# KiCad board VersaSens_HeEx.kicad_pcb (continued)
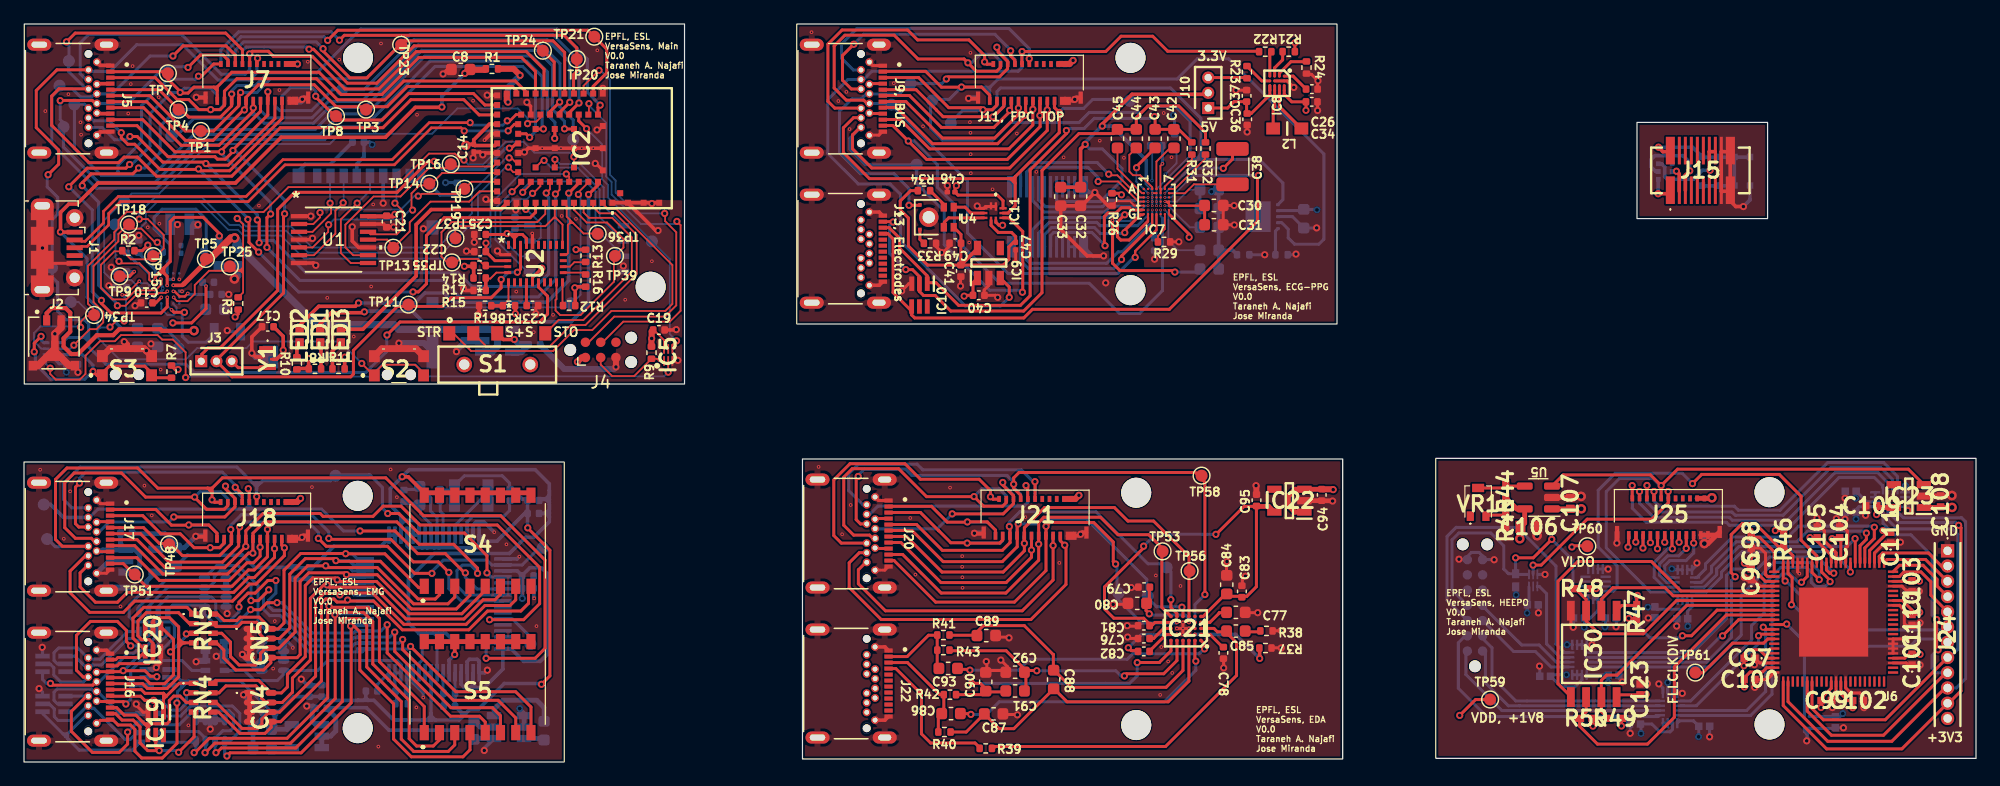
[diagram p0: board, top side]
## Routing (per net, layer and track width the routed paths; a pad name or vN(x,y) marks a point on that pad's centre or on a via; arc(x,y) is an arc through that point) (continued)
/Main/QSPI_IO2: length 14.5
  Top w0.15: IC2.18 42.21,48.15 v2(41.54,47.48)
  Bottom w0.15: IC6.3 47.61,44.47 47.61,47.55 46.76,48.4 42.22,48.4 41.54,47.72 v2(41.54,47.48)
/Main/QSPI_IO3: length 4.5
  Top w0.15: IC2.17 41.81,46.39 41.8,46.38 v2(41.8,46.05)
  Bottom w0.15: v2(41.8,46.05) 41.86,46.05 43.05,44.86 43.05,43.71 42.96,43.62 42.96,43.62 42.76,43.42 IC6.7
/Main/Reset: length 98
  Top w0.25: v2(19.46,58.65) 19.4,58.59 J7.12 ; J5.B11 2.74,57.68 1.02,55.96 1.02,52.86 2.89,51 2.89,49.82 v2(2.01,48.94) ; U2.11 42.86,39.58 43.61,38.82 43.61,37.33 42.95,36.67 31.32,36.67 v2(30.23,35.58)
  Bottom w0.25: IC4.5 3.62,35.38 4.85,35.38 ; 5.5,57.55 7.15,57.55 9.38,59.78 13.21,59.78 16.16,56.83 18.78,56.83 19.4,57.45 J7.12 19.4,58.59 v2(19.46,58.65) ; 5.5,57.55 J5.B11 5.5,57.55 ; 5.03,35.38 5.39,35.02 5.39,34.97 ; 5.03,35.38 4.85,35.38 ; 5.03,35.38 5.39,35.73 ; 5.39,34.97 5.39,34.59 5.39,34.59 ; 5.39,34.97 5.39,35.73 ; 4.85,35.38 5.39,35.38 5.39,34.59 ; 5.39,35.73 5.39,36.5 5.03,36.85 3.51,36.85 2.8,37.56 2.8,39.95 2.34,40.41 2.34,45.19 2.81,45.65 2.81,47.06 1.93,47.93 1.93,48.87 v2(2.01,48.94) ; 5.39,34.59 6.83,33.15 13.49,33.15 14.17,32.47 28.48,32.47 30.21,34.2 30.21,35.56 v2(30.23,35.58)
/Main/SCL: length 78.9
  Top w0.25: v2(3.73,47.94) 3.73,47.95 5.27,49.49 8.49,49.49 v2(8.8,49.8) ; 15.82,56.24 16.1,55.96 ; 16.1,55.96 J7.1 ; 16.1,55.96 16.1,56.22 16.08,56.24 ; J5.A2 7.2,57.53 11.85,57.53 TP7.1 11.98,56.91 13,55.88 v2(13,55.8) 13.06,55.74 13.66,55.74 14.16,56.24 16.08,56.24 ; 16.08,56.24 17.32,57.48 24.57,57.48 26.43,55.63 29.81,55.63 32.89,58.72 41.44,58.72 42.6,57.55 42.6,55.71 IC2.45 ; v2(6.45,38.47) 6.45,38.21 7.24,37.42 11.41,37.42 11.93,37.94 v1(11.93,38.72)
  Bottom w0.25: v2(8.8,49.8) 8.97,49.8 10.5,51.33 10.5,54.02 12.29,55.8 v2(13,55.8) 13.35,56.15 15.52,56.15 16.1,55.58 J7.1 ; v2(6.45,38.47) 6.4,38.47 5.69,39.19 5.69,46 3.74,47.94 v2(3.73,47.94)
/Main/SCLK: length 51.2
  Top w0.25: v2(17.3,55.66) J7.5 17.3,54.68 16.36,53.75 13.72,53.75 12.81,54.66 12.62,54.66 11.24,56.03 J5.A5 ; IC2.58 47.81,54.56 v2(47.99,54.74)
  Bottom w0.25: v2(47.99,54.74) 46.92,55.81 46.92,58.57 44.41,61.09 28.05,61.09 24.38,57.42 20.32,57.42 19.28,56.38 17.74,56.38 17.3,55.93 v2(17.3,55.66) J7.5
/Main/SDA: length 71.8
  Top w0.15: v1(11.94,39.23) 11.81,39.1 11.24,39.1 11.13,38.99 9.41,38.99 8.44,38.02 7.78,38.02 v2(7.78,38.03)
  Top w0.25: v2(9.55,49.5) 9.06,49.02 5.59,49.02 4.85,48.28 v2(4.85,48.03) ; IC2.43 41.81,55.86 40.91,56.76 31.64,56.76 30.07,55.18 26.12,55.18 24.36,56.95 17.74,56.95 16.7,55.91 J7.3 16.7,54.73 16.34,54.37 v2(15.55,54.37) 14.56,54.37 13.73,55.2 12.76,55.2 10.93,57.03 J5.A3
  Bottom w0.15: IC1.C4 v1(11.94,39.23)
  Bottom w0.25: J7.3 16.7,54.81 16.25,54.37 v2(15.55,54.37) 13.01,54.37 12.87,54.23 TP6.1 12.42,54.08 11.34,53 11.34,50.78 10.06,49.5 v2(9.55,49.5) ; v2(7.78,38.03) 7.78,38.16 6.22,39.72 6.22,46.66 v2(4.85,48.03)
/Main/SDI: length 50.6
  Top w0.25: IC2.52 45.41,54.1 v2(46.23,54.92) ; J5.A6 10.48,55.53 13.43,52.59 15.79,52.59 17.9,54.69 J7.7 17.9,55.65 v2(18.04,55.8)
  Bottom w0.25: J7.7 17.9,55.65 v2(18.04,55.8) 18.05,55.79 19.39,55.79 20.54,56.94 28.49,56.94 32.16,60.62 44.03,60.62 46.23,58.42 v2(46.23,54.92)
/Main/SDO: length 40.4
  Top w0.25: IC2.41 41.01,55.96 40.67,56.3 31.94,56.3 30.25,54.61 26,54.61 24.17,56.44 19.54,56.44 18.5,55.4 J7.9 18.5,55.1 18.5,54.39 ; J5.A7 10.21,55.03 13.44,51.81 15.75,51.81 18.28,54.34 v2(18.36,54.34) 18.23,54.21
  Bottom w0.25: J7.9 18.5,54.48 v2(18.36,54.34)
/Main/SoC_FCLK: length 38.8
  Top w0.25: IC2.32 41,51.55 40.6,51.16 v2(40.43,51.16) ; v2(34.17,50.06) 33.66,50.06 31.08,47.48 22.56,47.48 21.13,46.04 21.13,39.3 16.33,34.5 15.34,34.5 14.81,33.98 14.81,33.35
  Bottom w0.25: v2(34.17,50.06) 34.86,49.37 38.33,49.37 40.12,51.16 v2(40.43,51.16)
/Main/Soc_RESET: length 60.5
  Top w0.15: v2(2.18,32.82) 2.18,32.34 2.65,31.87 4.65,31.87 5.12,32.34 5.12,33.86 6.33,35.07 7.57,35.07 8.08,35.58 11.13,35.58 11.51,35.21 12.4,35.21 13.46,34.15 v2(13.46,32.04) ; v2(53.66,32.49) IC5.2
  Bottom w0.15: v2(13.46,32.04) 13.54,32.12 28.82,32.12 29.81,33.11 32.63,33.11 33.6,32.14 53.31,32.14 v2(53.66,32.49) ; v2(2.18,32.82) 1.84,33.16 IC4.1
/Main/Soc_RESET_IN: length 23
  Top w0.15: IC5.4 54.01,34.76 v2(54.35,35.1)
  Top w0.25: v2(46.86,52.78) 46.21,53.42 IC2.54
  Bottom w0.15: v2(46.86,52.78) 48.16,51.48 48.16,48.58 48.64,48.09 48.64,47.05 53.79,41.9 53.79,35.66 v2(54.35,35.1)
/Main/SoC_RESET_OUT: length 60
  Top w0.15: v2(4.72,36.23) 4.72,36.69 5.19,37.16 5.92,37.16 5.92,37.6 5.32,38.2 5.32,41.33 7.52,43.53 7.52,44.15 7.87,44.5 7.87,45.16 8.55,45.84 19.95,45.84 22.03,47.91 30.94,47.91 33.74,50.7 35.89,50.7 36.43,50.16 v2(36.65,50.16) ; v2(45.8,50.43) 45.81,50.41 IC2.60
  Bottom w0.15: v2(45.8,50.43) 45.45,50.78 42.52,50.78 41.61,51.68 40.12,51.68 38.23,49.8 37.01,49.8 v2(36.65,50.16) ; v2(4.72,36.23) 4.65,36.3 1.37,36.3 0.84,35.76 0.84,35.06 1.45,34.44 IC4.2
/Main/Start: length 51.4
  Top w0.25: IC2.47 43.32,55.8 43.32,57.72 41.84,59.2 32.67,59.2 29.56,56.09 26.73,56.09 24.01,58.81 20.77,58.81 20.35,59.23 19.02,59.23 v2(18.8,59.01) J7.10
  Bottom w0.25: v2(18.8,59.01) J7.10 18.8,57.69 18.43,57.32 16.43,57.32 13.13,60.62 5.37,60.62 4.68,59.93 4.68,57.36 5.16,56.88 J5.B10
/Main/Storing: length 17.9
  Top w0.15: IC2.5 46.61,45.8 47.06,45.35 49,45.35 50.63,43.72 50.63,40.87 46.59,36.83 44.53,36.83 S1.4
/Main/Streaming: length 32.1
  Top w0.15: IC2.2 48.21,46.53 48.65,46.09 49.34,46.09 54.01,41.42 54.01,38.17 53.42,37.59 48.93,37.59 47.34,36 45.82,36 44.07,34.25 37.24,34.25 35.77,35.72 S1.1
/Main/Streaming_Storing: length 24.8
  Top w0.15: S1.2 38.52,34.62 43.78,34.62 45.57,36.41 46.77,36.41 51.04,40.68 51.04,43.93 49.23,45.73 47.93,45.73 47.41,46.25 IC2.3
/Main/SWDCLK: length 31.2
  Top w0.15: IC2.56 47.01,54 47.06,54.05 v2(47.06,54.86) ; J4.4 48.2,34.98 49.91,36.7 53.79,36.7 54.69,37.6 54.69,44.75 54.4,45.04 54.37,45.04 v2(54.38,45.05)
  Bottom w0.15: v2(54.38,45.05) 54.17,44.84 51.38,44.84 48.95,47.28 48.95,48.33 48.49,48.8 48.49,53.28 47.06,54.71 v2(47.06,54.86)
/Main/SWDIO: length 35
  Top w0.15: IC2.55 46.61,56.35 v2(47.9,57.64) ; J4.2 47.03,34.98 49.17,37.12 53.39,37.12 54.33,38.06 54.33,44.15 53.4,45.08 53.4,45.68 v2(53.37,45.72)
  Bottom w0.15: v2(47.9,57.64) 48.01,57.64 48.8,56.85 48.8,48.94 49.29,48.46 49.29,47.45 51.02,45.72 53.36,45.72 v2(53.37,45.72)
/Main/USB_GP1: length 72.1
  Top w0.25: J7.2 15.8,58.17 14.78,57.15 v2(14.53,57.15) ; v2(44.2,51.97) 44.21,51.98 IC2.64
  Bottom w0.25: J5.B5 5.04,54.82 4.22,54.82 TP29.1 4.2,51.13 6.43,48.89 7.52,48.89 ; 7.83,49.17 8.11,48.89 ; 7.83,49.17 7.83,49.72 9.79,51.68 9.79,54.7 11.99,56.9 14.28,56.9 v2(14.53,57.15) ; 7.83,49.17 7.8,49.17 7.52,48.89 ; 7.83,49.17 7.83,48.89 ; 8.11,48.89 7.52,48.89 ; 8.11,48.89 10.75,48.89 14.58,52.71 24.25,52.71 25.55,54.02 28.58,54.02 33.39,58.83 42.28,58.83 43.6,57.51 43.6,53.94 44.23,53.31 44.23,51.99 v2(44.2,51.97)
/Main/USB_GP2: length 71.2
  Top w0.25: J7.4 17,58.5 16.58,58.92 14.69,58.92 v2(13.66,57.89) ; J5.B6 5.93,54.88 5.68,55.13 3.03,55.13 v2(3.02,55.12) ; v2(43.26,52.76) 43.26,52.75 IC2.63
  Bottom w0.25: v2(3.02,55.12) 3.02,53.54 3.28,53.28 3.28,51.24 6.21,48.31 10.93,48.31 14.91,52.3 24.66,52.3 25.86,53.5 28.92,53.5 33.82,58.4 41.88,58.4 43.16,57.12 43.16,52.86 v2(43.26,52.76) ; J5.B6 8.66,54.88 11.72,57.95 13.6,57.95 v2(13.66,57.89)
/Main/USB_GP3: length 75.2
  Top w0.25: J7.6 17.6,58.91 16.82,59.69 13.26,59.69 v2(12.41,58.83) ; v2(42.12,52.05) 41.82,52.35 IC2.34
  Bottom w0.25: v2(12.41,58.83) 10.5,58.83 7.35,55.68 J5.B7 5.93,55.54 5.75,55.54 5.63,55.42 4.7,55.42 4.02,56.1 2.88,56.1 2.88,56 2.31,55.44 2.31,51.53 6.03,47.81 11.06,47.81 15.12,51.87 25.03,51.87 26.09,52.93 29.21,52.93 34.24,57.97 41.53,57.97 42.6,56.9 42.6,52.55 42.33,52.28 42.33,52.27 v2(42.12,52.05)
/Main/USB_GP4: length 69.7
  Top w0.25: J7.8 18.2,59.35 16.8,60.75 4.27,60.75 v2(3.54,60.02) ; J5.B8 5.35,56.1 2.91,56.1 2.31,55.5 2.31,53.06 5.41,49.95 7.88,49.95 8.34,50.41 9.45,50.41 11.04,48.82 17.31,48.82 21.35,52.86 29.89,52.86 32.23,55.2 36.64,55.2 37.91,53.93 39.38,53.93 IC2.37
  Bottom w0.25: J5.B8 5.18,56.08 3.7,57.57 3.7,58.43 ; TP32.1 3.74,59.81 v2(3.54,60.02)
/Main/USB_GP5: length 60.4
  Top w0.15: IC2.12 44.61,47.68 v2(44.26,47.33)
  Top w0.25: v2(20.54,45.67) 20.23,45.37 v2(20.23,42.89) ; J5.A10 9.88,53.53 12.57,50.85 v2(16.46,50.85) 16.46,50.99 19.7,54.22 J7.13
  Bottom w0.25: v2(16.46,50.85) 16.46,50.7 20.54,46.62 v2(20.54,45.67) ; v2(20.23,42.89) 20.23,42.88 22.98,40.13 34.92,40.13 36.28,38.76 42.84,38.76 44.29,40.21 44.29,47.31 v2(44.26,47.33)
/Main/USB_GP6: length 62.7
  Top w0.15: IC2.14 43.81,47.73 v2(43.5,47.42)
  Top w0.25: v2(19.59,43.27) 19.59,45.02 v2(19.43,45.18) ; J7.17 20.9,53.62 17.01,49.74 15.28,49.74 v2(15.15,49.87) 15.03,50 11.56,50 9.43,52.13 v2(8.82,52.13)
  Bottom w0.25: v2(15.15,49.87) 15.17,49.87 19.43,45.61 v2(19.43,45.18) ; v2(19.59,43.27) 19.78,43.47 20.78,43.47 23.47,40.78 36.17,40.78 37.32,39.63 42.65,39.63 43.7,40.68 43.7,47.04 43.5,47.24 v2(43.5,47.42) ; v2(8.82,52.13) 8.55,51.85 7.54,51.85 6.52,52.87 5.38,52.87 J5.B2
/Main/USB_GP7: length 61
  Top w0.25: v2(32.4,39.18) 32.85,39.18 33.52,39.85 33.52,43.87 35.01,45.36 42.16,45.36 42.61,45.81 IC2.15 ; J7.19 21.5,53.64 17.13,49.28 14.68,49.28 v2(14.54,49.42) 14.5,49.39 11.32,49.39 9.22,51.48 8.64,51.48 8.1,52.02 8.1,52.44 v2(8.1,52.45) ; v2(18.64,45.22) 18.74,45.13 18.74,43.3 v2(19.54,42.5) ; 5.24,53.68 J5.B3
  Bottom w0.25: v2(8.1,52.45) 8.08,52.45 7.09,53.43 5.82,53.43 5.57,53.68 J5.B3 ; v2(18.64,45.22) 18.64,45.31 v2(14.54,49.42) ; v2(32.4,39.18) 32.39,39.17 22.87,39.17 v2(19.54,42.5)
/Main/uUSB_D+: length 42
  Top w0.22: J1.3 4.69,42.86 4.8,42.97 5.27,42.97 7.05,44.75 7.05,45.71 8.04,46.7 18.68,46.7 21.74,49.77 30.85,49.77 33.93,52.85 36.41,52.85 v2(36.67,52.59) ; IC2.36 40.85,53.15 40.33,52.63 v2(40.33,52.6)
  Top w0.25: v2(40.33,52.6) 40.33,52.6
  Bottom w0.22: v2(40.33,52.6) 40.31,52.59 v2(36.67,52.59)
/Main/uUSB_D-: length 42.6
  Top w0.22: IC2.42 40.99,53.95 40.47,53.44 v2(40.25,53.44) ; v2(37.16,53.28) 33.75,53.28 30.67,50.2 21.57,50.2 18.5,47.13 7.86,47.13 6.62,45.89 6.62,44.93 5.09,43.4 4.8,43.4 4.69,43.51 J1.2
  Top w0.25: v2(40.25,53.44) 40.41,53.44
  Bottom w0.22: v2(40.25,53.44) 39.89,53.08 37.36,53.08 v2(37.16,53.28)
  Bottom w0.25: 37.22,53.34 v2(37.16,53.28)
/Main/uUSB_VBUS: length 55.4
  Top w0.3: v2(34.81,54.58) 34.78,54.56 32.6,54.56 30.11,52.06 21.43,52.06 17.62,48.25 6.16,48.25 4.41,46.5 3.73,46.5 3.04,45.81 3.04,44.18 v2(3.03,44.17) 3.05,44.16 J1.1
  Top w0.5: R1.1 38.39,57.69 37.18,57.69 C8.2 37.05,57.72 v2(36.72,57.38)
  Bottom w0.25: v2(3.03,44.17) 5.25,41.95 5.25,38.72 6.85,37.13 7.14,37.13 8.12,36.15 C5.1
  Bottom w0.3: v2(36.72,57.38) 34.81,55.48 v2(34.81,54.58)
Net-(C85-Pad2): length 1.3
  Top w0.25: 102.93,10.94 102.83,10.85 101.66,10.85
Net-(IC1-BATT_CHGR): length 2.9
  Bottom w0.15: IC1.A3 11.44,38.21 11.44,37.76 11.96,37.25 12.45,37.25 12.71,37.5 12.71,37.89 12.43,38.17 IC1.A5
Net-(IC1-IN_LDO0): length 2.3
  Bottom w0.25: 10.93,40.73 10.93,41.02 9.56,42.39 R5.1
Net-(IC1-LXA): length 0.7
  Bottom w0.25: IC1.E6 v1(12.93,40.22) ; 13.81,44.78 L1.2
  Bottom w0.7: v2(14.48,44.78) 13.81,44.78
Net-(IC1-REG): length 3.4
  Top w0.2: v1(13.64,39.05) 13.39,38.8 12.97,38.8 12.54,39.22 v1(12.44,39.22)
  Bottom w0.25: C13.1 13.72,38.97 v1(13.64,39.05)
Net-(IC2-VBUS): length 5.5
  Top w0.5: v2(40.32,55) 40.21,55.1 IC2.40 ; v2(41.32,57.23) 40.79,57.76 R1.2
  Bottom w0.5: v2(40.32,55) 40.32,56.22 v2(41.32,57.23)
Net-(IC7-CAL3): length 4.4
  Top w0.15: IC7.B4 v5(93.98,47.41)
  PWR w0.2: v5(93.98,47.41) 93.98,48.42 v1(93.95,48.45) 93.95,48.45
  Bottom w0.15: R27.2 93.98,51.18 93.98,48.48 v1(93.95,48.45)
Net-(IC7-CAPN): length 7.7
  Top w0.25: C38.2 100.66,50.24 v2(99.9,49.47)
  Bottom w0.15: v2(99.9,49.47) 99.87,49.5 ; 96.53,48.91 v4(95.03,47.41)
  Bottom w0.25: 99.87,49.5 97.12,49.5 96.53,48.91
Net-(IC7-CAPP): length 5.6
  Top w0.15: C38.1 97.45,48.15 96.71,47.4 95.39,47.4 IC7.B7
Net-(IC8-CAP): length 2.3
  Top w0.25: IC8.A1 105.71,57.16 C26.1
Net-(IC8-EN): length 2.1
  Top w0.25: R22.1 103.77,59.07 IC8.D1
Net-(IC8-HVLX_1): length 3.6
  Top w0.25: 104.05,52.79 104.05,54.48 104.17,54.61 IC8.C4 IC8.C3
Net-(IC8-LVLX_1): length 4.3
  Top w0.25: IC8.B3 IC8.B4 104.57,54.62 L2.1
Net-(IC10-IO1): length 43.6
  Top w0.25: v2(86.83,52.63) 86.83,52.37 83.81,49.34 83.81,38.86 83,38.06 77.85,38.06 75.97,39.94 75.24,39.94 75.24,40.52 72.94,42.82 72.94,43.66 72.06,44.53 J13, Electrodes.A3 ; v2(94.17,53.79) 94.22,53.74 C43.2 C42.2 96.18,52.72 97.29,51.62
  Bottom w0.25: v2(86.83,52.63) 86.98,52.78 88.3,52.78 89.16,53.64 94.02,53.64 v2(94.17,53.79)
Net-(IC10-IO2): length 48.1
  Top w0.25: J13, Electrodes.A2 72.37,45.03 v2(72.4,45) ; 98.34,51.62 98.37,51.64 R32.1 98.42,52.45 96.19,54.68 93.63,54.68 92.65,53.7 C44.2 C45.2 90.73,52.37 87.87,52.37 84.8,49.3 84.8,39.11 83.26,37.58 77.2,37.58 75.9,38.88 74.92,38.88 74.57,39.23 74.57,39.84 IC10.2 74.59,40.46 74.01,41.04 v2(73.45,41.04)
  Bottom w0.25: v2(72.4,45) 72.1,44.71 72.1,42.39 v2(73.45,41.04)
Net-(IC12-NR/FB): length 1.7
  Bottom w0.25: 22.21,1.11 IC12.4
  Bottom w0.4: C50.1 22.21,1.11
Net-(IC14-CAP+): length 1.7
  Bottom w0.4: C51.2 43.19,1.96 IC14.6
Net-(IC14-CAP-): length 6.4
  Bottom w0.4: C51.1 43.32,4.54 42.71,5.15 39.91,5.15 39.15,4.4 IC14.3
Net-(IC17-VCAP1): length 4.8
  Bottom w0.25: 38.83,22.19 38.36,22.19 35.9,19.73 IC17.28
Net-(IC17-VCAP2): length 5.8
  Bottom w0.25: 40.45,21.71 40.45,20.96 39.99,20.5 37.4,20.5 36.9,20 IC17.30
Net-(IC17-VCAP3): length 2.8
  Bottom w0.25: IC17.55 34.9,4.68 34.94,4.64
Net-(IC17-VCAP4): length 2.9
  Bottom w0.25: IC17.26 34.9,20.67 34.67,20.9 34.67,21.69 34.65,21.71
Net-(IC17-VREFP): length 4.4
  Bottom w0.25: IC17.24 33.9,19.8 33.03,20.68 33.03,21.5 32.97,21.56 31.8,21.56 31.65,21.71
Net-(IC21-CAPN): length 5.4
  Top w0.25: v2(91.98,9.52) 92.22,9.28 92.76,9.28
  Bottom w0.25: v2(91.98,9.52) 93.07,10.61 96.02,10.61 v1(96.04,10.63)
Net-(IC21-CAPP): length 2.4
  Top w0.25: IC21.B6 95.14,10.63 93.79,9.28 93.72,9.28
Net-(IC21-CPLL): length 2.2
  Top w0.25: 93.72,10.3 94.1,10.3 94.93,11.13 IC21.C6
Net-(IC21-RBIAS): length 7.1
  Top w0.3: v2(102.93,8.63) 102.93,8.63 102.93,9.52
  Bottom w0.3: v2(102.93,8.63) 100.92,10.64 97.54,10.64 v1(97.54,10.63)
Net-(IC21-VBG): length 2.4
  Top w0.25: IC21.B1 98.78,10.63 99.92,9.49
Net-(IC21-VREF): length 2.5
  Top w0.25: IC21.D1 98.78,11.63 99.56,12.41 99.56,12.44 100.16,12.44
Net-(J3-Pin_3): length 3.1
  Top w0.25: Y1.3 17.84,32.86 17.35,33.35
Net-(J6-PadMP2): length 3.7
  Bottom w0.3: J6.MP2 34.67,47.26 R20.1
Net-(J22-SSTXN1): length 9
  Top w0.25: J22.A3 73.59,8.29 76.27,5.61 R42.1 76.62,5.61 76.62,4.21 76.16,3.75 R40.1
Net-(J22-SSTXP1): length 7.7
  Top w0.25: 76.35,7.72 76.07,8 76.07,10.56 75.34,10.56 73.57,8.79 J22.A2
Net-(J22-VBUS1.1): length 12.4
  Top w0.25: J22.A4 72.62,7.79 74.76,5.65 74.76,2.35 75.52,1.58 79.22,1.58 79.7,1.1
Net-(LED1-A): length 2.2
  Top w0.3: LED1.2 24.74,34.89 24.74,32.77
Net-(LED2-A): length 1.3
  Top w0.3: 22.73,33.73 22.73,34.74 LED2.2
Net-(LED3-A): length 2.5
  Top w0.3: LED3.2 25.69,34.26 25.69,32.77
Net-(U2-CAP): length 1.9
  Top w0.25: U2.9 41.85,39.96 41.85,38.07
Net-(U2-ENV_SCL): length 1.9
  Top w0.15: U2.15 44.86,38.08 R12.2
Net-(U2-ENV_SDA): length 1.9
  Top w0.15: U2.16 46.62,40.78 R16.1
Net-(U5-FB): length 4
  Top w0.25: VR1.2 123.18,22.84 123.44,23.1 123.54,22.99 U5.4
Net-(VR1-CW): length 1.6
  Top w0.25: 121.79,20.35 122.02,20.58 123.25,20.58 123.26,20.57

## Copper pours and planes (outline as drawn; the poured copper is in the pictures)
+1V8 on Bottom: 8.16,41.25 8.6,41.25 8.93,41.25 9.98,40.59 10.29,40.44 10.5,40.33 10.56,40.27 10.57,40.2 10.55,40.15 10.52,40.1 10.47,40.09 10.4,40.09 10.34,40.12 10.13,40.22 9.55,40.48 9.14,40.51 8.86,40.51 8.17,40.52
+3.3V on PWR: 64.4,61.52 109.39,61.58 109.33,36.48 64.4,36.43
+3.3VA on PWR: 64.98,25.24 109.81,25.24 109.81,0.25 64.81,0.31 64.81,25.29
+3.3VP on PWR: 0.09,24.96 45.02,25.04 44.99,0 0.01,0.03 0.05,24.92
+3V3 on PWR: 0.09,61.46 48.69,61.38 48.67,56.36 48.63,47.39 54.97,47.37 54.97,31.55 0.07,31.54 0.06,61.46
GND on Top: 48.7,61.4 48.6,46.87 54.91,46.82 55.06,31.61 -0.03,31.51 0.03,61.51 ; 1 cut-out
GND on Bottom: 12.82,40.77 12.87,40.82 12.96,40.85 13.27,41.21 14.53,41.91 18.51,41.88 18.52,39.55 15.53,39.56 15.52,40.65 15.17,40.65 12.98,40.6 12.84,40.62 12.82,40.67 12.81,40.76
GND on Bottom: 10.03,43.09 10.05,44.22 8,44.22 7.99,43.14
GND on Bottom: 15.98,39.44 16.04,36.92 16.6,36.88 17.07,36.75 17.11,36.17 17.14,35.56 17.58,34.95 18.68,34.96 18.64,36.61 18.68,39.37 15.99,39.45
GND on Bottom: 0.03,61.51 48.7,61.4 48.6,46.87 54.91,46.82 55.06,31.61 -0.03,31.51
GND on Bottom: 8.73,35.24 11.87,35.25 11.9,33.88 8.71,33.87 8.74,35.25
GND on GND: 0.08,61.49 48.67,61.4 48.69,56.58 48.67,47.41 55.01,47.37 54.97,31.54 0.07,31.54
GND1 on Top: 64.41,61.51 109.41,61.51 109.41,36.55 64.26,36.55
GND1 on Bottom: 109.4,61.53 109.29,36.62 64.38,36.62 64.42,61.43
GND1 on GND: 64.42,61.55 109.36,61.44 109.42,36.45 64.37,36.51 64.37,61.55
GND2 on Top: 0.09,24.95 44.86,24.95 44.86,0.05 -0.14,0.05
GND2 on Bottom: 0.09,24.95 44.86,24.95 44.86,0.05 -0.14,0.05
GND2 on GND: 0.05,25 44.99,24.96 44.99,0 0.05,0.03 0.01,25
GND3 on Top: 64.83,25.24 109.78,25.24 109.83,0.3 64.83,0.25
GND3 on Bottom: 64.83,25.24 109.78,25.24 109.83,0.3 64.83,0.25
GND3 on GND: 64.9,25.22 109.9,25.33 109.84,0.18 64.79,0.24 64.9,25.28
GNDA on Bottom: 95.85,48.54 101.34,48.54 101.36,36.82 95.81,36.82 95.84,48.53
GNDA on PWR: 92.75,49.57 99.45,49.58 99.45,45.19 92.73,45.18
GNDPWR on Top: 85.33,49.17 93.06,49.17 93.15,40.55 85.31,40.56
GNDPWR on Bottom: 80.44,42.57 79.68,43.29 79.68,51.44 90.01,51.44 90.89,50.56 91.63,49.74 91.62,42.2 91.17,41.59 90.64,40.93 82.11,40.93 81.47,41.55
GNDS on Top: 117.59,25.37 162.63,25.32 162.58,0.32 117.54,0.32
GNDS on Bottom: 117.59,25.37 162.63,25.32 162.58,0.32 117.54,0.32
GNDS on GND: 117.57,25.38 162.69,25.42 162.62,0.31 117.53,0.39
VDD on PWR: 117.54,25.44 162.58,25.33 162.66,0.26 117.61,0.3
/ECG_PPG/PPG Board/PPG_PGND on Top: 134.38,53.31 145.28,53.31 145.26,45.28 134.38,45.28
/ECG_PPG/PPG Board/PPG_PGND on Bottom: 134.38,53.38 145.26,53.35 145.28,45.31 134.37,45.3
/Main/Battery+ on Bottom: 12.81,38.67 14.08,37.35 13.61,35.88 13.76,35.56 13.99,35.43 14.33,35.44 14.65,35.62 15.6,37.17 15.61,38.42 14.06,38.47 13.04,38.88 12.89,38.84 12.82,38.81 12.8,38.74
/Main/PMU_BST on Bottom: 12.32,40.85 12.69,42.65 13.41,42.65 13.41,42.09 13.26,41.62 12.55,40.71 12.51,40.63 12.45,40.6 12.37,40.6 12.34,40.64 12.32,40.68
/Main/PMU_LXB on Top: 12.29,40.23 12.31,40.15 12.41,40.07 12.53,40.11 12.57,40.17 12.58,40.24 12.61,40.37 13.04,42.62 13.32,43.65 13.34,44.36 13.31,44.93 13.09,45.05 12.83,45.09 12.61,45.09 12.5,44.98 12.45,44.8 12.45,44.46 12.46,43.35 12.49,42.57 12.47,41.7 12.33,40.5 12.29,40.19 12.32,40.13
/Main/PMU_LXB on Bottom: 12.73,42.86 12.92,42.79 13.34,42.8 13.47,42.79 13.48,43.22 13.47,43.41 13.27,43.55 13,43.66 12.88,43.84 12.75,45.4 12.75,45.75 12.18,45.78 11.69,45.75 11.7,43.95 12.58,43.22
/Main/PMU_SYS on Bottom: 10.58,35.72 11.65,35.7 12.12,35.7 12.82,35.71 12.8,36.35 12.83,36.89 12.01,36.9 11.29,37.2 11.11,37.61 11.07,37.98 11.07,38.21 11.04,38.32 10.99,38.37 10.82,38.35 10.79,38.28 10.8,38.21 10.8,38.02 10.56,36.99 10.54,36.82 10.54,35.71
/Main/PMU_SYS on Bottom: 12.85,39.81 14.48,40.46 14.83,40.5 15.17,40.5 15.17,39.52 12.91,39.6 12.83,39.65 12.81,39.73 12.84,39.79
/Main/PMU_VL on Bottom: 8.15,39.87 8.56,39.87 8.82,39.81 9.39,39.41 9.94,39.06 10.24,38.95 10.47,38.83 10.53,38.8 10.56,38.71 10.54,38.64 10.46,38.6 10.38,38.59 10.25,38.57 9.3,38.87 8.62,39.05 8.15,39.1 8.14,39.79
/Main/uUSB_VBUS on Bottom: 8.88,36.98 8.88,36.97 9,37.52 9.52,37.9 9.89,38.22 10.16,38.32 10.29,38.34 10.42,38.35 10.48,38.36 10.53,38.33 10.56,38.28 10.57,38.22 10.55,38.13 10.48,38.05 10.37,37.87 10.16,37.3 10.1,36.69 10.1,36.08 10.08,35.67 8.94,35.67 8.77,35.68 8.76,36.39 8.88,36.98
Net-(IC1-LXA) on Top: 12.78,40.25 12.81,40.3 12.89,40.5 13.2,41.78 13.51,42.81 13.8,43.69 13.8,44.69 13.96,45.03 14.26,45.19 14.5,45.16 14.65,45.08 14.75,44.96 14.79,44.8 14.86,43.83 14.41,42.88 14.06,41.98 13.64,41.15 13.37,40.53 13.13,40.19 12.98,40.07 12.86,40.08 12.83,40.11 12.8,40.15 12.78,40.2 12.78,40.27

## Text on the board
B.Silkscreen: EPFL, ESL / VerSe, PPG / V0.0 | TaANa, JoMi | # | Clock: Y1, SoC | GND | +3V3
F.Silkscreen: EPFL, ESL / VersaSens, EMG / V0.0 / Taraneh A. Najafi / Jose Miranda | EPFL, ESL / VersaSens, Main / V0.0 / Taraneh A. Najafi / Jose Miranda | EPFL, ESL / VersaSens, ECG-PPG / V0.0 / Taraneh A. Najafi / Jose Miranda | EPFL, ESL / VersaSens, EDA / V0.0 / Taraneh A. Najafi / Jose Miranda | EPFL, ESL / VersaSens, HEEPO / V0.0 / Taraneh A. Najafi / Jose Miranda | * | STR | S+S | STO | 3.3V | 5V | VDD, +1V8 | VLDO | +3V3 | GND | FLLCLKDIV
